# Allegro board RK_NVR_DEMO_RK3568_DDR4P216SD4_V12_20201221YWQ_final.brd (continued)
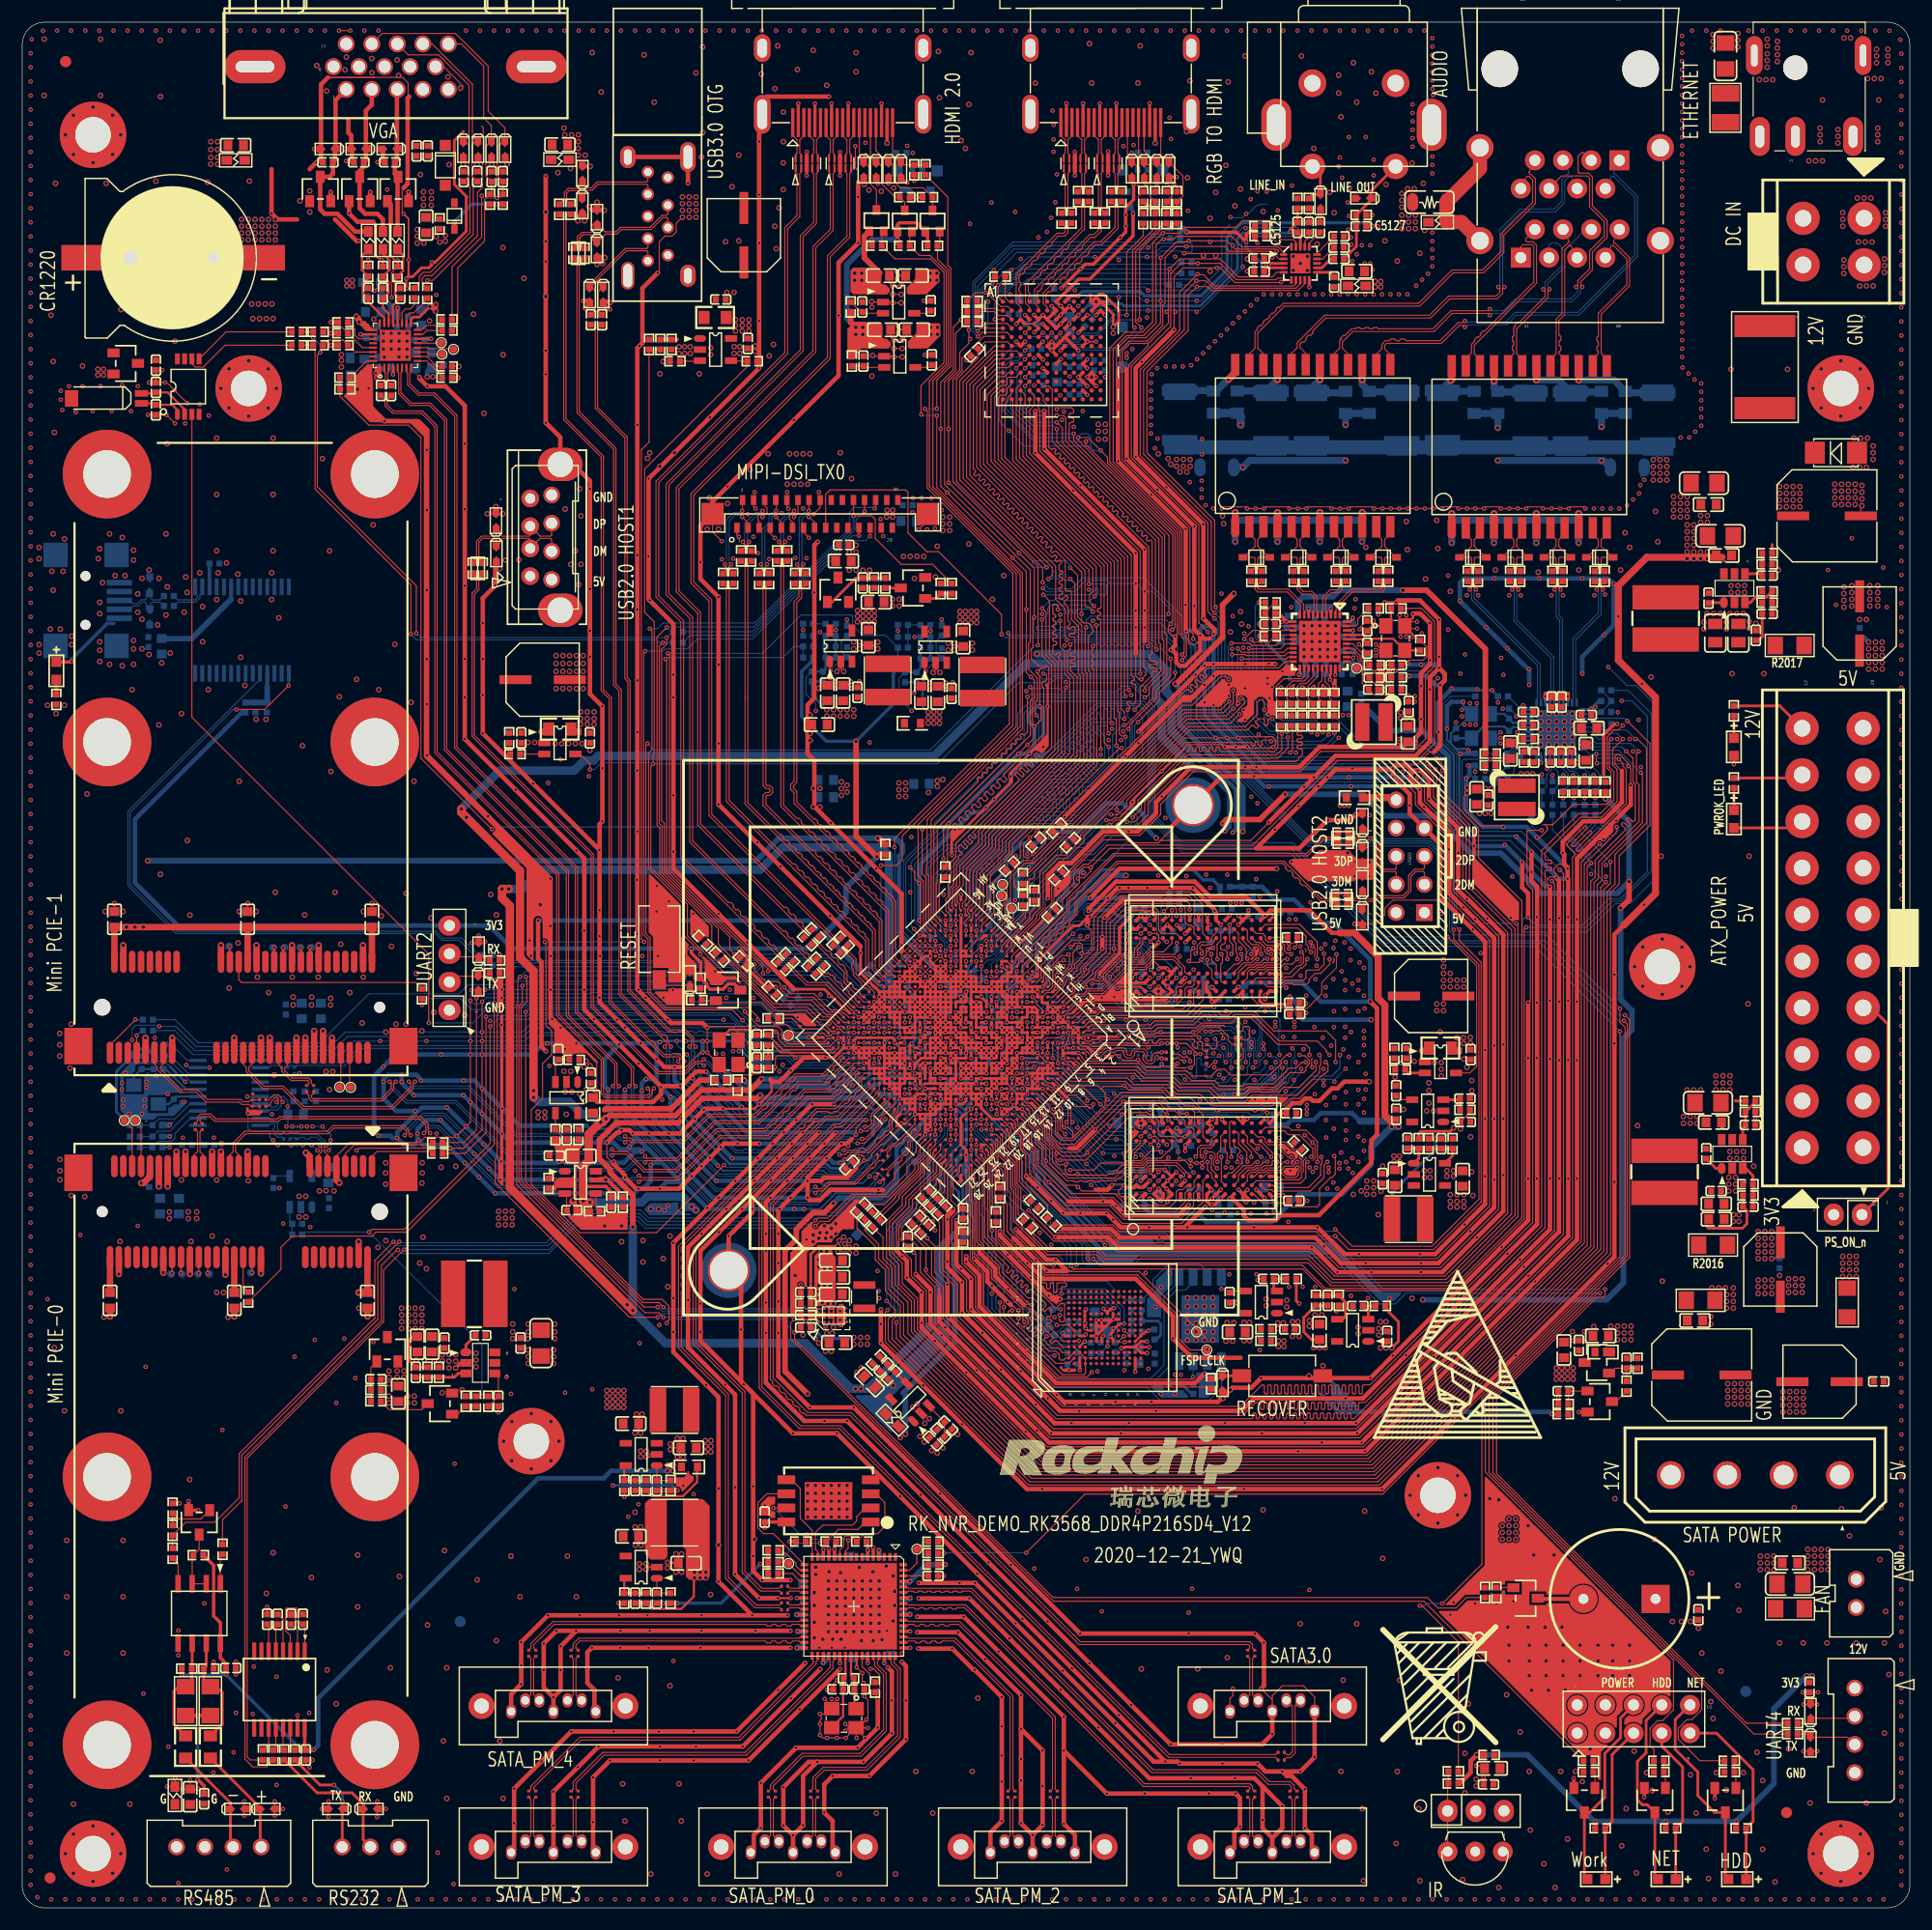
[diagram p0: board, top side]
## Routing (per net, layer and track width the routed paths; a pad name or vN(x,y) marks a point on that pad's centre or on a via; arc(x,y) is an arc through that point) (continued)
  TOP w0.254: v1(70.69,158.28) U5000.8 U5000.3 v1(70.69,156.16) ; 80.45,80.73 U1000.AA17 ; 80.45,80.73 U1000.AB17 ; 80.45,80.73 80.45,81.16 80.42,81.19 ; 80.45,80.73 80.9,80.73 ; U1000.AA17 U1000.Y18 ; U1000.AA17 80.9,80.27 ; 80.45,83.95 80.45,83.49 80.44,83.49 ; 80.45,83.95 v1(80.91,83.95) 80.92,83.93 80.92,83.49 ; 80.45,83.95 80.44,83.95 79.99,83.95 ; 80.45,83.95 v1(80.45,84.41) ; U1000.AC15 80.9,82.11 80.9,82.11 ; U1000.AC15 80.45,82.57 ; U1000.AC15 v1(80.45,81.65) ; U1000.AC15 79.99,82.11 ; U1000.C9 92.4,75.22 ; U1000.C9 v1(92.86,75.68) ; U1000.C9 92.4,76.11 v1(92.42,76.14) U1000.C8 v1(92.86,75.68) ; U1000.C9 91.99,75.68 ; 92.4,75.22 92.4,75.22 U1000.B9 ; 92.4,75.22 91.99,75.22 ; 91.46,80.73 91.48,80.72 U1000.J5 ; 91.46,80.73 91.46,80.94 91.21,81.19 90.99,81.19 ; 91.46,80.73 90.99,80.73 ; U1000.W14 82.74,81.19 ; U1000.W14 83.2,80.73 ; U1000.W14 v1(82.74,80.27) ; U1000.W14 v1(82.28,80.73) ; 82.74,81.19 U1000.Y14 ; 82.74,81.19 82.74,81.65 ; 82.74,81.19 U1000.W13 ; 82.28,72 82.28,71.54 81.36,71.54 ; 82.28,72 v1(81.82,72) ; 82.28,72 82.75,72 82.75,72.46 ; 82.28,72 v1(82.28,72.46) ; U1000.L26 80.91,71.12 81.36,71.12 ; U1000.L26 81.36,71.54 ; U1000.L26 v1(80.45,71.54) U1000.M26 ; v1(80.9,81.19) U1000.AB15 ; v1(80.9,81.19) 80.42,81.19 ; v1(80.9,81.19) 80.91,81.19 U1000.AA15 ; v1(80.9,81.19) 80.9,80.73 ; U1000.AB15 v1(80.45,81.65) ; U1000.AB15 v1(81.36,81.65) ; U1000.AB15 80.9,82.11 ; 81.36,83.03 80.92,83.03 80.92,83.49 ; 81.36,83.03 81.36,83.48 v1(81.36,83.49) ; 81.36,83.03 v1(81.82,83.03) ; 81.36,83.03 81.36,82.57 ; v1(86.89,77.06) 86.88,77.06 U1000.L13 ; v1(86.89,77.06) U1000.K13 ; v1(86.89,77.06) 86.88,77.05 U1000.K14 ; v1(86.89,77.06) 86.88,77.06 U1000.L14 ; v1(81.37,69.7) 81.36,69.7 U1000.J27 ; 89.64,79.81 90.08,79.81 90.09,79.8 ; 89.64,79.81 89.64,79.37 89.66,79.35 v1(90.1,79.35) ; 89.64,79.81 U1000.L8 88.72,79.81 ; v1(88.72,75.22) 88.72,75.22 U1000.F14 ; v1(88.72,75.22) 88.72,75.67 88.72,75.68 v1(89.18,75.68) ; v1(88.72,75.22) 88.72,75.22 ; v1(88.72,75.22) 88.26,75.22 U1000.G14 88.26,75.22 U1000.F15 ; v1(88.72,75.22) 89.18,75.22 89.18,75.22 v1(89.18,75.68) ; v1(90.1,79.35) U1000.J8 90.56,78.89 90.56,78.89 90.56,78.44 ; v1(90.1,79.35) 90.09,79.37 90.09,79.8 ; v1(91.02,78.44) 90.56,78.44 ; v1(91.02,78.44) 91.46,78.44 91.48,78.45 91.8,78.45 91.94,78.59 U1000.G6 ; v1(91.02,78.44) U1000.G8 ; 90.56,78.44 v1(90.56,77.98) ; U1000.T17 v1(82.28,77.98) ; U1000.T17 82.74,77.52 v1(82.74,77.52) ; U1000.T17 v1(82.74,78.43) ; U1000.T17 v1(83.2,77.98) U1000.R17 ; v1(82.28,77.98) U1000.T18 ; v1(82.28,77.98) U1000.U18 ; v1(82.28,77.98) U1000.U17 ; U1000.V20 v1(80.9,77.52) ; 81.82,74.78 82.24,74.78 82.26,74.75 82.26,74.39 82.17,74.3 ; 81.82,74.78 81.82,74.33 81.86,74.3 ; 81.82,74.78 U1000.P21 v1(81.82,75.68) ; v1(82.74,77.52) U1000.R17 ; v1(82.74,77.52) U1000.R18 ; v1(82.74,77.52) U1000.T18 ; U1000.R17 v1(83.2,77.06) ; U1000.V9 U1000.U10 ; U1000.V9 85.5,83.03 ; U1000.V9 85.96,82.57 ; U1000.U10 85.5,81.19 ; U1000.U10 85.94,81.65 v1(85.96,81.63) ; U1000.AD26 v1(74.93,77.98) 74.93,78.18 75.18,78.44 77.72,78.44 ; U1000.AD26 v1(74.93,77.06) U1000.AC26 ; U1000.AD26 v1(74.47,77.52) U1000.AE27 ; U1000.AD26 74.93,77.52 v1(75.39,77.52) 75.39,77.52 U1000.AC26 ; U1000.F15 88.72,74.3 U1000.F14 ; U1000.F15 v1(87.8,74.3) ; 79.07,82.58 79.07,83.03 ; 79.07,82.58 79.06,82.57 78.61,82.57 ; 79.07,82.58 79.07,82.12 79.07,82.11 ; 79.07,82.58 79.5,82.58 79.5,82.11 ; 79.07,83.03 U1000.AF15 ; 79.07,83.03 78.15,83.03 U1000.AF17 ; v1(92.86,75.68) U1000.B9 ; U1000.AF15 v1(79.07,83.95) U1000.AF14 ; U1000.AF15 78.61,83.49 78.61,82.57 78.61,82.57 ; U1000.AF15 v1(79.53,83.49) ; U1000.R11 U1000.P12 86.42,79.35 ; U1000.R11 85.96,80.27 v1(86.42,80.27) U1000.R10 ; U1000.R11 85.96,80.73 ; U1000.R11 85.5,80.27 U1000.T11 ; U1000.K19 85.09,74.3 ; U1000.K19 84.13,74.3 v1(84.12,74.3) ; U1000.K19 84.58,73.86 ; 85.09,74.3 85.04,74.25 85.04,73.89 85.09,73.84 ; 85.09,74.3 v1(85.96,74.3) ; v1(83.2,79.81) U1000.U15 ; v1(83.2,79.81) U1000.V15 ; v1(83.2,79.81) U1000.U14 83.66,79.35 83.66,79.35 ; v1(83.2,79.81) U1000.V14 ; U1000.U15 v1(82.74,79.35) ; U1000.U15 83.2,78.91 v1(83.18,78.89) ; U1000.U15 83.66,79.35 ; 83.2,81.65 82.74,81.65 ; 83.2,81.65 U1000.W13 ; 83.2,81.65 U1000.Y12 ; 83.2,81.65 U1000.W12 ; 82.74,81.65 82.3,81.65 ; 82.74,81.65 82.74,82.11 ; 88.72,82.57 v1(88.72,82.57) 88.72,82.57 ; 88.72,82.57 U1000.P6 ; 88.72,82.57 U1000.R6 ; 88.72,82.57 U1000.R6 ; 88.72,82.57 U1000.P6 ; U1000.G11 89.18,76.6 U1000.G12 ; U1000.G11 v1(89.64,76.14) ; U1000.G11 v1(89.64,77.06) 89.64,77.06 90.07,77.06 ; v1(83.2,77.06) U1000.R18 ; v1(83.2,77.06) U1000.P17 ; U1000.R18 v1(82.28,77.06) ; U1000.AE17 78.61,82.11 78.61,82.57 ; U1000.AE17 79.07,82.11 ; U1000.AE17 78.15,82.11 ; v1(81.82,80.27) 81.28,80.27 ; v1(81.82,80.27) U1000.W15 ; v1(81.82,80.27) U1000.Y15 ; 81.28,80.27 81.36,80.36 v1(81.36,80.73) ; 81.28,80.27 80.91,80.27 80.9,80.27 ; 87.34,73.84 U1000.F17 ; U1000.F17 v1(86.88,73.38) ; U1000.F17 v1(87.34,72.92) ; 83.66,79.35 U1000.T14 v1(84.12,78.89) ; 83.66,79.35 83.66,79.35 U1000.T15 ; v1(84.58,91.32) U1000.AH1 ; U1000.G6 v1(92.39,78.89) 92.39,79.35 U1000.G5 ; U1000.G6 91.94,79.35 v1(91.94,79.35) ; U1000.AB6 85.5,85.79 ; U1000.AB6 84.59,85.79 84.58,85.8 ; U1000.AB6 85.04,86.21 84.99,86.26 84.58,86.26 ; U1000.N17 84.58,76.6 U1000.M16 85.04,77.06 v1(85.04,77.06) U1000.N15 ; U1000.N17 84.12,76.14 ; U1000.N17 84.12,77.06 v1(84.12,77.06) U1000.P17 ; U1000.N17 83.66,76.6 ; U1000.C6 U1000.B5 v1(95.15,77.06) ; U1000.C6 v1(93.77,76.6) ; U1000.C6 v1(93.77,77.52) ; v1(83.66,76.6) 83.66,76.6 ; v1(83.66,76.6) U1000.P17 ; v1(83.66,76.6) 83.66,76.6 ; v1(83.66,76.6) U1000.N18 84.12,76.14 ; 82.74,82.11 U1000.AA12 ; 82.74,82.11 82.74,82.11 U1000.Y12 ; 82.74,82.11 81.82,82.11 ; U1000.AA12 v1(83.2,82.57) ; U1000.AA12 82.28,82.57 ; 107.65,71.32 107.65,70.79 U3301.K9 ; 75.85,80.27 v1(76.31,80.27) ; 75.85,80.27 v1(75.85,79.81) 76.32,79.81 76.32,80.26 v1(76.31,80.27) ; 75.85,80.27 v1(75.85,80.73) U1000.AF21 ; 75.85,80.27 75.85,80.27 v1(75.39,80.27) ; v1(76.31,80.27) U1000.AF21 ; v1(76.31,80.27) U1000.AE21 v1(76.77,80.73) ; U1000.H6 v1(91.48,79.81) U1000.J5 ; U1000.H6 91.94,79.35 v1(91.94,79.35) ; U1000.H6 v1(91.02,79.35) ; v1(93.31,79.81) 92.85,79.81 92.85,79.35 v1(92.85,79.35) U1000.G5 ; v1(93.31,79.81) 93.31,80.27 ; v1(93.31,79.81) U1000.F3 ; v1(82.28,78.89) U1000.U16 ; v1(82.28,78.89) U1000.V16 ; v1(82.28,78.89) U1000.U17 ; U1000.U16 v1(83.18,78.89) ; U1000.U16 82.74,79.35 v1(82.74,79.35) ; U1000.U16 v1(82.74,78.44) ; 82.28,84.87 82.28,84.87 v1(82.74,84.87) ; 82.28,84.87 82.28,84.41 ; 82.28,84.87 81.83,85.33 81.82,85.33 v1(81.82,85.79) ; U1000.R14 v1(84.12,78.89) ; U1000.R14 85.01,78.89 85.04,78.86 U1000.P14 ; U1000.R14 84.58,78.44 ; v1(84.12,78.89) U1000.R15 84.58,78.44 ; v1(84.12,78.89) U1000.T15 ; 97.79,82.22 97.59,82.02 v1(97.28,82.02) ; U1000.M26 80.45,72.54 ; U1000.M26 79.97,72 79.97,72.92 ; 80.45,72.54 80.45,72.92 ; 80.45,72.54 79.5,72.54 79.5,72.92 ; U1000.V16 v1(81.82,79.35) U1000.W17 ; U1000.V16 v1(82.74,79.35) ; U1000.V16 v1(82.28,79.81) ; 81.36,76.6 81.36,77.06 U1000.T19 ; 81.36,76.6 81.82,76.6 ; 81.36,76.6 81,76.6 80.4,76 80.4,75.64 ; 82.74,83.95 82.74,84.4 82.75,84.41 ; 82.74,83.95 U1000.AB11 ; 82.74,83.95 83.66,83.95 v1(83.66,83.95) ; 82.74,83.95 U1000.AC11 ; 91.94,75.16 91.99,75.22 ; 91.94,75.16 91.94,75.62 91.99,75.68 ; 91.94,75.16 91.94,74.76 91.94,74.76 U1000.C11 ; 91.99,75.22 91.48,75.22 ; U1000.J20 v1(84.58,72.92) ; U1000.J20 84.12,73.38 ; U1000.J20 v1(85.04,73.38) ; U1000.J20 84.58,73.86 ; v1(81.82,72) 81.82,71.08 81.82,71.08 U1000.J26 ; v1(81.82,72) U1000.L24 ; 90.09,79.8 90.09,80.27 90.55,80.27 90.56,80.28 90.56,80.73 ; 90.56,80.73 90.56,80.73 U1000.L5 ; 90.56,80.73 90.99,80.73 ; U1000.U8 86.82,82.57 ; U1000.U8 86.42,83.03 ; U1000.U8 85.96,82.57 ; 86.82,82.57 86.88,82.63 U1000.U7 ; 86.82,82.57 87.33,82.57 ; v1(91.48,82.57) 91.02,82.57 U1000.M3 ; v1(91.48,82.57) U1000.M2 ; v1(91.48,82.57) U1000.L3 91.9,82.11 91.9,81.58 92.4,81.58 U1000.J3 ; U1000.M6 v1(89.18,81.19) ; U1000.M6 v1(90.1,81.19) U1000.L5 ; U1000.M6 89.64,81.63 ; v1(89.18,81.19) 89.18,82.11 ; v1(89.18,81.19) 88.73,81.19 88.72,81.18 ; U1000.AF11 v1(80.45,85.33) U1000.AF12 ; U1000.AF11 v1(80.91,84.87) 80.9,84.87 U1000.AF12 ; U1000.AF11 81.36,85.79 v1(81.82,85.79) ; v1(83.2,84.41) U1000.AC9 ; v1(83.2,84.41) 83.2,84.41 83.2,83.49 ; v1(83.2,84.41) 82.75,84.41 ; U1000.AC9 v1(83.2,85.33) ; U1000.AC9 v1(82.74,84.87) ; v1(82.28,83.49) U1000.AC12 ; v1(82.28,83.49) U1000.AB11 ; v1(82.28,83.49) U1000.AB12 ; v1(82.28,83.49) U1000.AC11 ; U1000.AC12 v1(81.82,83.03) ; U1000.AC12 v1(81.36,83.49) ; U1000.AC12 v1(81.82,83.95) U1000.AC11 ; 84.12,73.38 v1(84.12,74.3) ; 84.12,73.38 83.2,73.38 ; U1000.U23 79.53,75.18 ; U1000.U23 79.07,75.68 U1000.V23 ; U1000.U23 v1(79.53,76.14) ; 79.53,75.18 79.53,74.76 ; 79.53,75.18 79.99,75.18 79.99,74.76 ; U1000.AH8 v1(80.91,87.63) ; 91.02,74.76 v1(91.02,74.76) U1000.C12 ; 91.02,74.76 U1000.D11 ; 91.02,74.76 U1000.C11 ; 77.69,77.06 U1000.AA23 ; 77.69,77.06 U1000.AA24 ; 77.69,77.06 U1000.Y23 ; 77.69,77.06 U1000.Y24 ; U1000.AA23 v1(77.69,77.98) 77.69,78.4 77.72,78.44 ; U1000.AA23 77.23,77.52 ; U1000.K11 88.26,77.62 v1(88.21,77.57) 88.16,77.52 U1000.K12 ; U1000.K11 v1(87.8,77.98) ; U1000.K11 88.26,78.33 88.26,78.33 v1(88.26,78.44) U1000.L11 ; U1000.Y24 78.15,76.6 78.15,76.6 ; U1000.Y24 77.69,76.14 ; 86.68,68.78 U1000.B23 v1(86.42,68.32) ; 81.82,76.6 U1000.R19 82.28,77.06 v1(82.28,77.06) ; 81.82,76.6 U1000.T19 ; U1000.V26 77.69,74.3 U1000.U26 ; U1000.V26 78.15,74.76 U1000.U26 ; U1000.V26 77.23,74.76 77.23,75.68 ; U1000.V26 77.69,75.18 ; 79.99,83.95 v1(79.99,84.87) U1000.AF12 ; 79.99,83.95 U1000.AE14 ; 79.99,83.95 U1000.AF14 ; v1(81.82,81.19) U1000.AA14 ; v1(81.82,81.19) U1000.Y14 ; v1(81.82,81.19) U1000.Y15 ; v1(81.82,81.19) U1000.AA15 ; U1000.AA14 81.82,82.11 ; U1000.AA14 82.3,81.65 ; U1000.AA14 v1(81.36,81.65) ; U1000.AA14 82.28,81.65 82.28,82.57 ; 81.36,82.57 81.37,82.57 82.28,82.57 ; 81.36,82.57 U1000.AB14 ; 81.82,82.11 81.82,82.11 U1000.AB14 ; 81.82,82.11 v1(81.82,83.03) ; v1(89.38,72.33) 89.64,72.59 U1000.C15 ; v1(89.38,72.33) 89.64,72.08 U1000.B16 v1(90.1,72) ; v1(89.38,72.33) 89.05,72 U1000.C17 ; U1000.AD3 v1(85.5,88.55) ; 83.2,74.3 U1000.M21 ; 83.2,74.3 U1000.L21 ; 83.2,74.3 U1000.L20 ; U1000.M21 v1(82.74,73.84) U1000.L21 ; U1000.M21 82.17,74.3 ; v1(89.18,75.68) 89.18,75.68 U1000.G12 ; v1(89.18,75.68) U1000.F12 v1(89.64,76.14) ; 89.18,82.11 89.18,82.11 ; 89.18,82.11 U1000.P6 ; 89.18,82.11 U1000.P6 ; 89.18,82.11 90.1,82.11 90.1,82.11 v1(90.1,83.03) ; U1000.L14 85.96,77.06 v1(85.96,77.06) U1000.M14 ; U1000.L14 v1(86.42,77.52) ; U1000.L14 86.42,76.6 U1000.K14 ; U5100.D5 v1(91.2,142.02) ; U1000.U26 v1(78.15,73.84) 78.58,73.84 78.61,73.86 ; U1000.U26 78.61,74.3 ; 83.2,72.95 83.2,73.38 ; 83.2,72.95 83.2,72.46 ; 83.2,72.95 83.23,72.92 83.66,72.92 ; 83.2,73.38 U1000.L21 ; 109.58,73.36 109.3,73.36 v1(109.25,73.31) ; U1000.AF14 v1(79.53,83.49) ; U1000.AF14 79.53,84.41 80.45,84.41 v1(80.45,84.41) ; v1(87.34,76.6) 87.75,76.6 87.8,76.65 v1(87.8,77.06) ; v1(87.34,76.6) 87.34,76.6 U1000.K13 ; v1(87.34,76.6) 87.34,76.6 U1000.K14 ; J5100.11 v1(98.59,162.65) ; U1000.AE27 v1(74.01,77.98) U1000.AF26 v1(73.55,78.44) ; U1000.AE27 U1000.AE28 73.13,76.64 v1(72.37,76.64) ; U1000.AF12 v1(80.45,84.41) ; 81.82,77.55 81.85,77.52 U1000.T18 ; 81.82,77.55 U1000.U18 ; 81.82,77.55 U1000.T19 ; U1000.J26 81.82,70.16 v1(81.82,70.16) U1000.J27 ; U1000.J26 81.37,70.62 81.36,70.62 ; U1000.K13 v1(87.8,77.06) ; U1000.K13 87.34,77.48 v1(87.31,77.52) ; v1(122.83,111.48) 122.81,111.48 122.28,110.95 C6805.2 ; 83.66,82.11 U1000.Y11 ; 83.66,82.11 83.66,82.11 ; 83.66,82.11 U1000.W12 ; U1000.Y11 83.66,82.57 ; U1000.Y11 v1(83.2,82.57) ; U1000.J3 v1(92.86,81.19) ; U1000.J3 v1(92.4,80.73) U1000.H3 ; U3301.N9 v1(110.37,71.11) ; U3301.N9 109.96,70.74 109.47,71.22 ; U3301.N9 109.99,71.31 109.98,71.32 ; U4000.N2 v1(100.29,48.34) ; v1(86.88,73.38) U1000.G17 87.34,73.84 v1(87.34,73.84) ; v1(86.88,73.38) U1000.G18 ; U1000.AA26 76.31,76.6 v1(76.31,76.6) ; U1000.AA26 v1(75.85,76.14) ; U1000.AA26 76.31,75.68 U1000.Y26 ; v1(81.36,80.73) U1000.AA15 ; v1(81.36,80.73) U1000.Y15 ; v1(81.36,80.73) 80.9,80.73 ; v1(94.69,79.35) 94.69,79.35 U1000.D3 v1(95.15,78.89) ; v1(94.69,79.35) U1000.E3 v1(94.23,79.81) U1000.F3 ; v1(94.69,79.35) U1000.D2 v1(95.15,78.9) ; v1(81.82,85.79) U1000.AF9 ; v1(91.94,79.35) U1000.G5 ; U1000.N15 U1000.P14 ; U1000.N15 85.5,77.52 ; U1000.P3 89.69,83.49 89.64,83.54 U1000.R3 ; U1000.P3 v1(90.56,83.49) 90.56,82.57 ; U1000.P3 v1(90.1,83.03) ; U1000.P3 90.1,83.95 U1000.R3 ; U1000.AA15 v1(81.36,81.65) ; v1(74.43,162.65) J5000.11 ; 82.28,82.57 U1000.AB12 ; U1000.AB12 v1(81.82,83.03) ; 87.34,74.76 87.34,74.76 v1(86.42,74.76) 86.42,74.76 U1000.J17 v1(85.96,74.3) ; 87.34,74.76 U1000.G15 ; 87.34,74.76 87.34,74.3 ; U1000.R26 79.07,72.92 v1(79.07,72.92) 79.07,72.92 79.5,72.92 ; U1000.R26 79.07,73.86 ; U1000.R26 78.61,73.38 78.61,73.38 78.61,73.86 ; 90.99,81.19 90.99,80.73 ; 90.99,81.19 U1000.L5 ; U1000.AG18 77.69,82.57 ; U1000.AG18 v1(77.23,82.11) ; U1000.AG18 U1000.AH18 v1(76.31,83.49) 75.54,84.26 v1(75.54,86.06) 75.54,86.66 ; 77.69,82.57 U1000.AF17 ; 77.69,82.57 U1000.AF18 ; U1000.L13 v1(86.42,77.52) ; U1000.L13 v1(87.31,77.52) ; v1(86.42,77.52) U1000.M13 85.96,77.98 85.96,77.98 ; v1(86.42,77.52) U1000.M14 ; U1000.AA24 v1(77.23,77.52) ; U1000.AA24 v1(76.77,77.06) ; v1(103.22,70.28) 102.87,69.94 U3301.D8 ; 79.99,81.19 79.99,81.66 ; 79.99,81.19 U1000.AB17 ; 79.99,81.19 80.42,81.19 ; 79.99,81.66 79.99,82.11 ; 79.99,81.66 80.44,81.66 v1(80.45,81.65) ; 79.99,81.66 79.5,81.66 79.5,82.11 ; 81.36,71.54 81.36,71.12 ; 79.07,76.6 U1000.V23 ; 79.07,76.6 U1000.V22 ; 79.07,76.6 79.07,77.5 79.53,77.5 79.53,77.06 ; 79.07,76.6 78.15,76.6 ; U1000.V23 78.61,76.14 ; U1000.V23 v1(79.53,76.14) ; 78.61,80.73 U1000.AC18 ; 78.61,80.73 78.18,80.73 ; 78.61,80.73 78.61,80.26 ; U1000.AC18 v1(79.53,80.73) U1000.AB17 ; U1000.AC18 79.07,80.26 ; 93.31,80.27 93.32,80.27 v1(93.77,80.27) U1000.F3 ; 93.31,80.27 v1(93.31,80.73) ; v1(87.34,73.84) 87.8,73.84 87.8,73.84 87.8,73.84 v1(87.8,74.3) ; v1(87.34,73.84) 87.34,74.3 ; U1000.Y12 83.66,82.11 ; U1000.Y12 v1(83.2,82.57) ; 83.66,82.11 U1000.W11 84.12,82.57 ; 96.01,89.29 95.24,88.53 94.69,88.53 91.39,85.23 91.39,85.14 91.48,85.05 v1(91.48,84.41) 91.48,84.41 U1000.N1 v1(91.02,83.95) ; 80.9,80.27 80.9,80.73 ; U1000.P14 v1(85.5,78.44) U1000.N14 ; U1000.P14 84.58,78.44 ; U1000.R6 87.83,82.57 ; U1000.R6 88.26,82.21 88.36,82.11 U1000.P6 ; U1000.R6 88.26,83.04 ; 87.83,82.57 87.83,83.49 ; 87.83,82.57 87.33,82.57 ; v1(85.04,73.38) 85.5,73.38 ; v1(85.04,73.38) 85.04,73.79 85.09,73.84 ; U1000.AB24 v1(76.77,77.06) ; U1000.AB24 77.23,77.52 ; U1000.AB24 76.31,77.52 ; v1(76.77,77.06) 75.85,77.06 ; 82.3,81.65 82.28,81.64 U1000.Y14 ; U1000.AF21 v1(76.77,80.73) ; 78.61,76.14 77.69,76.14 ; 78.61,76.14 78.61,76.14 ; 78.61,76.14 v1(78.61,77.06) ; 78.61,76.14 78.61,76.14 ; 77.69,76.14 77.69,75.69 ; 78.61,80.26 78.18,80.26 78.18,80.73 ; 78.61,80.26 79.07,80.26 ; 78.61,80.26 78.61,79.76 79.07,79.76 ; U1000.V8 85.96,82.57 ; U1000.V8 85.96,83.49 ; U1000.V8 85.96,83.03 86.42,83.03 ; U1000.V8 85.5,83.03 ; U1000.W15 v1(82.28,80.73) ; U1000.W15 v1(82.74,80.27) ; U1000.W15 v1(82.28,79.81) ; 79.99,82.11 79.5,82.11 ; 85.96,83.49 85.96,83.95 85.5,83.95 ; 85.96,83.49 v1(85.04,83.49) ; 79.07,79.76 79.07,79.35 79.5,79.35 ; 79.07,79.76 79.07,80.26 ; v1(90.1,83.03) 91.02,83.03 ; 91.02,83.03 U1000.M2 ; 91.02,83.03 U1000.M3 ; 85.04,83.03 v1(84.58,83.03) ; 85.04,83.03 v1(85.04,83.49) ; 85.04,83.03 85.5,83.03 ; v1(84.58,83.03) 83.69,83.03 83.66,83.01 ; v1(84.58,83.03) U1000.W10 84.12,82.57 ; v1(84.58,83.03) U1000.Y9 ; U3300.B2 101.17,83.4 100.42,83.4 U3300.A2 100.33,83.36 99.87,83.36 ; U3301.C9 101.73,71 v1(101.6,71) ; U1000.Y14 v1(82.28,80.73) ; 78.15,76.6 78.15,75.69 v1(78.15,75.69) 77.69,75.69 ; 78.15,76.6 U1000.Y23 ; 88.26,83.49 88.79,83.49 88.79,84.34 89.15,84.34 89.15,84.87 ; 88.26,83.49 88.26,83.95 U1000.R3 ; 88.26,83.49 87.83,83.49 ; 88.26,83.49 88.26,83.48 88.26,83.04 ; v1(82.74,84.87) 82.75,84.86 82.75,84.41 ; 88.24,80.27 87.83,80.27 87.83,80.73 88.24,80.73 ; 88.24,80.27 88.24,80.73 ; 88.24,80.27 U1000.M8 ; v1(76.31,76.6) 76.31,77.52 76.31,77.52 ; v1(76.31,76.6) 75.86,76.6 75.85,76.61 ; 82.28,84.41 U1000.AC11 ; 82.28,84.41 82.75,84.41 ; U1000.H2 v1(93.31,80.73) ; U1000.H2 v1(93.77,81.19) ; U1000.H2 v1(92.86,81.19) ; v1(93.31,80.73) U1000.H3 ; U1000.V15 v1(82.74,79.35) ; U1000.V15 v1(82.28,79.81) ; U1000.V15 v1(82.74,80.27) ; U1000.AC26 75.85,77.06 ; U1000.AC26 75.39,76.61 75.85,76.61 ; U1000.AB11 83.2,83.49 ; U1000.G15 87.8,74.76 U1000.F14 ; U1000.G15 87.8,74.3 v1(87.8,74.3) ; 84.56,73.84 85.09,73.84 ; 84.56,73.84 84.58,73.86 ; 84.56,73.84 v1(83.66,73.84) U1000.L21 ; 85.09,73.84 85.5,73.84 ; 83.66,82.57 84.12,82.57 ; 83.66,82.57 83.66,83.01 ; U1000.T19 v1(82.28,77.06) ; v1(83.66,83.95) U1000.AA9 ; v1(83.66,83.95) 83.66,83.01 ; U1000.AA9 84.12,83.49 ; U1000.AA9 v1(84.12,84.41) 84.58,84.41 ; U1000.AA9 84.58,83.95 ; 75.85,77.06 75.85,76.61 ; 75.85,77.06 75.85,77.06 U1000.AC25 76.31,77.52 ; 80.92,83.49 80.44,83.49 ; 80.92,83.49 v1(81.36,83.49) ; U1000.A6 v1(94.99,75.84) ; 79.5,79.35 v1(79.99,79.35) ; 79.5,79.35 79.5,78.89 79.99,78.89 ; 85.5,77.52 U1000.M14 ; 85.5,77.52 U1000.N14 ; U1000.M14 85.96,77.98 ; R2132.2 118.63,53.96 v1(118.41,53.75) ; U3301.T3 112.99,65.94 v1(113.24,65.69) ; J5100.8 v1(97.09,162.65) ; 79.53,77.06 U1000.V22 ; 79.53,77.06 v1(78.61,77.06) ; U1000.N14 85.96,77.98 ; U1000.N14 U1000.P15 84.58,78.43 ; U4000.H10 97.79,53.65 ; 97.79,53.65 v1(97.43,54) ; 97.79,53.65 97.79,53.69 98.1,54 98.33,54 v1(98.38,54.05) ; v1(87.8,74.3) 87.34,74.3 87.34,74.3 ; 84.96,71.58 84.58,71.2 84.58,68.78 U1000.C25 v1(85.04,67.86) U1000.B26 ; v1(82.28,77.06) U1000.T18 ; v1(76.77,80.73) U1000.AE20 ; v1(76.77,80.73) U1000.AF20 ; 84.12,82.57 84.12,83.49 ; 84.12,83.49 83.2,83.49 ; 84.12,83.49 U1000.Y9 ; v1(89.64,82.57) 89.64,81.64 ; v1(89.64,82.57) 90.56,82.57 ; v1(89.64,82.57) 90.08,82.57 ; 89.64,81.64 89.62,81.65 88.72,81.65 ; U1000.H3 v1(92.86,81.19) ; v1(79.53,83.49) U1000.AE14 ; U1000.K12 v1(87.8,77.98) ; U1000.K12 v1(87.8,77.06) ; U1000.K12 v1(87.31,77.52) ; U1000.AF18 v1(77.69,81.65) ; U1000.AF18 78.15,82.11 ; U1000.AF18 v1(77.23,82.11) ; v1(77.69,81.65) v1(76.77,81.65) U1000.AF20 ; v1(77.69,81.65) 77.69,81.2 ; 88.72,81.18 88.24,81.18 88.24,80.73 ; 88.72,81.18 v1(88.72,80.73) ; 88.72,81.18 88.72,81.65 ; U1000.P6 88.72,81.65 ; U1000.P6 88.72,81.67 88.71,81.66 88.72,81.65 ; 78.18,80.73 v1(77.69,80.73) ; 78.18,80.73 78.18,81.2 77.69,81.2 ; v1(77.1,155.42) 76.95,155.57 ED5002.2 ; U1000.AE14 80.44,83.49 ; v1(82.74,66.95) U1000.D28 ; v1(77.23,81.19) 77.68,81.19 77.69,81.2 ; v1(77.23,81.19) U1000.AF20 ; v1(77.23,81.19) v1(77.23,82.11) ; v1(77.23,81.19) U1000.AE20 ; U1000.AE20 v1(77.69,80.73) ; 86.42,72.44 86.42,72.1 87.42,71.1 88.26,71.1 ; 86.42,72.44 85.96,72.44 85.96,72.92 ; 86.42,72.44 v1(86.42,72.92) ; 83.2,80.73 U1000.V13 83.66,81.19 ; 83.2,80.73 U1000.V14 ; 83.2,80.73 U1000.W13 ; 84.58,84.41 85.04,84.41 U1000.Y8 ; 84.58,84.41 84.58,83.95 ; 84.58,84.41 84.58,85.8 ; 88.72,79.81 88.72,79.81 ; 88.72,79.81 v1(88.72,79.81) U1000.M8 ; v1(88.72,80.73) U1000.M8 ; v1(88.72,80.73) 88.24,80.73 ; U1000.L24 v1(82.28,72.46) ; U1000.L24 v1(81.82,72.92) ; v1(82.28,72.46) 82.75,72.46 ; 83.66,81.19 83.66,81.19 83.66,81.19 ; 83.66,81.19 U1000.W13 ; 83.66,81.19 U1000.W12 ; 84.58,86.26 U1000.AF3 v1(84.58,89.47) ; 84.58,86.26 84.58,85.8 ; 85.5,81.19 U1000.T10 ; 85.5,81.19 U1000.T11 ; U1000.B12 91.02,73.84 ; U1000.B12 v1(91.48,74.3) ; U1000.B12 v1(91.94,73.84) ; 91.02,73.84 U1000.C12 ; 91.02,73.84 90.56,73.84 v1(90.56,73.38) U1000.C14 ; v1(91.48,74.3) U1000.C12 ; v1(91.48,74.3) U1000.C11 ; U4000.G5 97.29,51.42 97.38,51.51 v1(97.38,51.54) ; U1000.G9 90.1,77.52 90.1,77.09 90.07,77.06 ; U1000.G9 90.56,77.97 v1(90.56,77.98) ; U1000.G9 v1(91.02,77.52) ; U1000.G9 90.56,77.06 ; 84.58,83.95 U1000.Y9 ; 84.58,83.95 U1000.Y8 ; U1000.V22 v1(79.53,76.14) ; U1000.V22 79.95,76.6 ; U1000.L20 83.66,74.76 83.66,74.76 84.12,74.76 U1000.M18 84.12,76.14 ; U1000.L20 83.67,74.3 v1(84.12,74.3) ; U1000.L20 83.66,72.92 ; 80.42,81.19 80.45,81.22 v1(80.45,81.65) ; 79.07,74.3 79.07,73.86 ; 79.07,74.3 79.53,74.3 79.53,74.76 ; 79.07,74.3 79.07,74.76 79.53,74.76 ; 79.07,74.3 78.61,74.3 ; 79.07,73.86 78.61,73.86 ; v1(86.88,78.89) U1000.N12 86.42,79.35 86.42,79.35 ; v1(86.88,78.89) U1000.N11 86.42,79.35 ; v1(86.88,78.89) U1000.M11 ; 79.99,74.76 U1000.R23 v1(80.45,74.3) ; 79.99,74.76 79.53,74.76 ; U1000.Y23 78.61,77.06 v1(78.61,77.06) ; U1000.J27 81.36,70.62 ; 81.36,70.62 81.36,71.12 ; U1000.G18 v1(86.42,72.92) ; U1000.G18 85.96,73.38 ; v1(95.15,78.89) U1000.C3 ; 77.69,75.69 77.69,75.22 77.69,75.18 ; 77.69,75.69 77.67,75.68 77.23,75.68 ; 86.42,87.37 86.67,87.63 U1000.AB2 ; v1(95.82,52.22) 95.74,52.3 95.74,52.67 v1(95.77,52.7) 95.74,52.72 95.74,53.33 95.75,53.34 95.75,53.84 v1(95.86,53.95) ; U1000.G12 v1(89.64,76.14) ; U1000.Y26 76.77,75.18 77.69,75.18 ; U1000.Y26 77.23,75.68 ; U1000.J5 v1(91.94,80.27) ; 90.07,77.06 90.56,77.06 ; 90.56,77.06 U1000.F9 ; v1(82.28,80.73) U1000.Y15 ; ED5101.2 v1(102.22,155.42) ; U3300.H1 v1(105.99,82.14) ; 78.61,73.86 78.61,74.3 ; U1000.AB14 v1(81.36,81.65) ; U1000.AB14 80.9,82.11 ; v1(88.26,84.87) U1000.V3 88.72,85.33 ; U3301.E3 103.54,65.94 v1(102.94,66.54) ; U3301.E3 v1(103.99,66.33) ; U3301.E3 v1(103.19,65.54) U3301.D2 v1(103.12,64.81) ; J5100.5 v1(95.59,162.65) ; v1(85.96,74.3) U1000.J18 85.5,73.84 ; U1000.AG5 v1(83.2,89.01) ; U1000.AF17 78.61,82.57 ; U1000.AF17 78.15,82.11 78.15,82.11 ; 80.45,72.92 80.45,73.1 80.7,73.36 81.41,73.36 ; 80.45,72.92 79.97,72.92 ; U1000.F9 v1(91.48,77.06) ; U1000.F9 v1(91.02,77.52) ; 82.75,72.46 83.2,72.46 ; ED5100.2 v1(104.03,156.02) ; U1000.U18 81.82,78.4 81.86,78.44 U1000.U17 ; U1000.C15 90.11,72.92 90.1,72.93 U1000.C14 ; U1000.C15 89.64,73.38 U1000.C14 ; v1(70.87,78.46) v1(71.52,78.46) 72.15,78.46 U1000.AH28 ; U1000.T10 86.37,81.19 86.4,81.22 ; U1000.T10 v1(85.96,81.63) ; U1000.T10 85.96,80.73 ; 79.07,82.11 79.5,82.11 ; 86.42,83.03 87.34,83.03 v1(87.34,83.04) ; U1000.B9 93.29,75.22 ; U1000.A3 v1(96.48,77.1) ; v1(103.19,83.82) U3300.D2 v1(103.19,83.02) ; 87.83,83.49 U1000.U6 v1(87.34,83.04) ; v1(79.99,79.35) 79.99,78.89 ; v1(79.99,79.35) U1000.Y18 ; 79.99,78.89 80.45,78.89 U1000.Y18 ; v1(109.5,82.13) U3300.N1 109.99,81.9 ; U1000.C17 v1(88.72,71.54) 88.72,71.54 U1000.C18 v1(88.26,72) U1000.C17 ; 86.4,81.22 86.4,81.61 86.36,81.65 85.98,81.65 v1(85.96,81.63) ; 86.4,81.22 86.42,81.19 86.42,81.19 U1000.R10 ; U1000.AF20 v1(76.31,81.19) ; U1000.D11 v1(90.56,75.22) ; U1000.D11 91.48,75.22 ; U1000.U17 v1(82.74,78.44) ; v1(91.02,77.52) U1000.G8 ; U7000.10 115.96,146.11 v1(115.98,146.1) ; v1(77.23,77.52) 77.23,77.52 ; v1(77.23,77.52) 77.23,77.52 ; v1(87.34,83.04) 88.26,83.04 ; v1(87.34,83.04) 87.34,82.59 87.33,82.57 ; 79.5,72.92 U1000.P26 79.97,72.92 ; U1000.G8 v1(90.56,77.98) ; U1000.M11 87.34,78.44 U1000.L11 ; U1000.M11 v1(87.8,78.89) U1000.L11 ; U3301.H9 v1(105.99,71.19) ; v1(99.88,84.34) 99.78,84.34 99.09,83.64 99.09,83.42 99.15,83.36 ; v1(86.42,86.71) U1000.AA4 ; 85.5,83.95 U1000.Y8 ; 85.5,83.95 85.5,83.03 ; 90.56,82.57 U1000.M3 ; U1000.V14 v1(82.74,80.27) ; v1(83.18,78.89) U1000.T15 ; v1(71.43,162.65) J5000.5 ; 85.96,72.92 85.96,73.38 ; 85.96,72.92 v1(86.42,72.92) ; 85.96,72.92 85.5,72.92 85.5,73.38 ; 85.96,73.38 85.5,73.38 ; v1(87.8,77.98) U1000.L11 ; v1(77.43,162.65) J5000.17 ; U1000.M2 v1(91.94,83.03) ; U3300.T3 112.99,84.22 ; 83.66,72.92 U1000.J22 ; v1(91.48,72) 91.02,72.46 U1000.A14 90.93,72.54 90.88,72.54 ; U1000.R10 85.96,80.73 ; U1000.R10 v1(86.88,80.73) ; 85.96,80.73 U1000.T11 ; v1(77.69,80.73) 77.69,81.2 ; 91.48,75.22 91.48,75.22 ; 91.48,75.22 U1000.C11 ; 91.48,75.22 91.48,75.52 91.63,75.68 91.99,75.68 ; 83.2,72.46 U1000.J22 ; U1000.J22 v1(83.66,72) ; 103.22,82.13 103.22,82.25 U3300.E1 ; v1(85.04,83.49) U1000.Y8 ; v1(85.04,83.49) U1000.Y9 ; 85.5,73.38 85.5,73.38 85.5,73.84 ; U1000.L19 v1(84.12,74.3) ; 39.75,160.12 38.94,159.31 38.94,155.35 40.06,154.23 40,154.18 40,151.13 37.21,148.34 v1(36.91,148.34) 36.91,148.1 36.65,147.84 35.99,147.84 35.18,147.03 34.79,147.03 v1(34.61,146.86) ; 82.17,74.3 81.35,74.3 81.29,74.24 ; 98.56,52.36 98.44,52.24 v1(98.32,52.24) 98.29,52.21 98.29,51.94 98.04,51.7 v1(98.04,51.51) 98.29,51.26 U4000.J5 ; U1000.AE6 v1(83.66,87.63) ; U1000.F1 v1(95.15,81.19) ; U1000.E7 v1(92.4,77.97) ; U3300.C9 102.09,89.12 102.09,89.63 ; v1(79.74,155.52) 79.61,155.52 79.18,155.96 ED5000.2 ; ED5001.2 v1(78.06,155.42) ; v1(96.18,89.32) 96.19,89.32 97.8,90.93 v1(97.8,91.04) ; v1(93.15,82.86) 92.86,82.57 ; C2302.2 111.4,56.69 v1(111.3,56.59) ; v1(113.59,64.24) v1(113.18,64.24) 112.99,64.24 v1(112.74,63.99) ; U3300.F1 104.39,82.31 v1(103.92,81.84) ; v1(95.61,78.44) U1000.C3 ; LED2001.2 v1(154.23,103.07) ; 37.27,165.97 J5900.10 ; v1(73.69,156.16) U5001.3 U5001.8 v1(73.69,158.28) ; 69.55,82.8 72.29,82.8 72.69,82.4 v1(72.69,82.19) 72.9,82.19 v1(74.02,81.08) 74.13,81.08 U1000.AH23 74.57,80.64 ; 95.15,77.97 U1000.C3 ; U3301.G8 v1(104.79,69.54) ; J5100.2 v1(94.09,162.65) ; 89.91,86.06 U1000.U1 ; J5100.17 v1(101.59,162.65) ; 77.72,78.44 78.38,78.44 78.61,78.2 v1(78.61,77.98) ; U1000.N28 78.79,71.27 78.79,70.51 78.99,70.51 v1(79.2,70.71) 79.22,70.69 79.59,70.69 ; U1000.G24 v1(83.66,70.16) ; v1(101.26,155.42) 101.11,155.57 ED5102.2 ; v1(93.16,74) U1000.A10 ; v1(69.93,162.65) J5000.2 ; v1(101.59,63.94) 102.02,63.51 ; v1(72.93,162.65) J5000.8 ; 88.26,72.92 v1(88.26,72.92) 88.26,72.92 88.26,73.38 v1(88.72,73.38) 88.72,72.92 88.26,72.92 ; 90.09,74.3 90.1,74.3 v1(90.1,74.76) 89.64,74.76 v1(89.64,74.3) 90.09,74.3
  TOP w0.3: v1(103.19,83.02) U3300.E1
  TOP w0.305: v1(89.56,141.19) U5100.F3 v1(90.36,141.19) ; 110.59,63.8 110.06,64.34 110,64.34 ; 90.23,142.84 90.23,142.92 U5100.C3 v1(89.56,142.79) ; v1(94.85,158.28) U5102.8 U5102.3 v1(94.85,156.16) ; v1(15.88,35.84) Q9500.2 v1(14.99,36.66) ; 101.29,81.92 v1(101.59,82.22) 101.94,81.87 ; U5100.L10 v1(95.96,136.39) ; U5100.K11 v1(96.76,137.99) U5100.J11 v1(95.96,137.99) U5100.K11 ; U5100.K11 v1(96.76,137.19) ; U8300.5 v1(76.68,32.49) ; 94.11,73.05 v1(93.16,74) ; v1(100.74,88.5) 100.69,88.5 100.42,88.22 U3300.A8 100.14,88.22 v1(99.94,88.43) ; 102.09,89.63 101.91,89.8 v1(101.81,89.8) ; U3300.N9 v1(109.59,88.62) ; U3300.N9 110.48,89.52 110.48,89.93 v1(110.48,89.94) ; U3300.N9 v1(109.59,89.42) ; v2(39.07,48.67) 39.52,49.12 U8502.2 ; v1(103.12,64.81) U3301.E1 103.19,63.94 v1(103.19,63.64) ; v1(103.22,70.28) 103.24,70.28 103.44,70.09 U3301.E8 ; U3301.F1 v1(104.39,63.84) ; v1(93.62,146) v1(95.35,147.73) 95.78,148.16 96.52,148.16 v1(98.93,150.57) 99.43,151.07 v1(99.43,152.6) 99.43,153.26 100.14,153.97 v1(100.14,155.4) 100.14,155.45 99.99,155.6 ED5103.2 ; 112.99,84.22 v1(113.29,83.92) ; v1(96.76,143.59) U5100.B12 v1(97.56,143.59) ; U5100.C8 v1(93.56,142.79) U5100.D7 U5100.C6 ; U5100.E8 U5100.F9 v1(95.16,140.39) ; U5100.E8 94.36,141.99 ; U5100.E8 U5100.F7 ; Q2101.2 v1(140.24,44.68) ; U5100.C6 v1(91.96,143.59) 91.56,143.19 U5100.C5 v1(91.16,143.59) ; U5100.C6 92.36,143.19 U5100.B7 v1(92.76,144.39) ; U3300.E8 103.4,88.41 v1(103.19,88.62) 103.02,88.45 U3300.D8 ; U3300.E3 103.59,84.34 103.99,84.73 ; U3300.E3 v1(103.19,84.62) 103.08,84.74 102.58,84.74 ; U3300.E3 v1(103.19,83.82) ; Q9002.2 v1(146.16,9.98) ; C8313.2 v1(66.9,36.27) ; v1(99.28,65.14) 99.49,64.92 100.18,64.92 U3301.A2 100.58,64.95 101.01,64.95 U3301.B2 v1(101.59,65.54) ; C2145.2 v1(138.4,45.97) 138.4,45.55 ; v1(104.79,87.82) U3300.G8 ; U5100.F7 v1(92.76,141.19) U5100.F6 v1(92.76,140.39) ; U5100.F7 v1(92.76,140.39) ; U3301.N1 v1(109.59,64.74) ; U3301.N1 109.99,63.9 v1(110.29,63.6) ; U3301.N1 110,64.34 ; v1(101.59,83.82) U3300.B2 ; R9510.2 v1(14.19,36.47) ; 96.67,80.75 v1(96.1,80.75) ; 113.03,82.6 113.01,82.62 U3300.T1 112.06,82.3 v1(112.01,82.3) ; U1000.A28 84.58,65.57 v1(84.35,65.34) ; U3300.K9 107.53,89.08 107.53,89.88 107.39,90.02 ; U3300.K9 107.59,89.72 v1(107.44,89.87) ; U3300.K9 v1(107.99,88.62) ; v1(107.65,71.88) 107.8,71.88 ; v1(97.85,156.16) U5104.3 U5104.8 v1(97.85,158.32) ; Q9000.2 v1(139.81,11.68) ; U5100.G7 v1(92.76,140.39) ; v1(99.89,69.94) U3301.A8 100.39,69.84 99.99,69.44 ; v1(105.99,63.84) U3301.H1 ; R2303.2 v1(60.6,87.93) ; v1(97.68,76.74) 98.19,76.74 ; U8300.13 v1(72.68,32.41) ; v1(110.39,64.72) 110,64.34 ; v1(107.22,82.99) U3300.K1 ; U5100.C10 v1(95.96,143.59) ; v1(105.99,89.52) 105.99,89.42 U3300.H9 ; 102,86.64 v1(102.39,87.02) ; Q9001.2 v1(152.51,9.86) ; v1(107.99,64.74) U3301.K1 v1(107.19,63.94) ; U3301.T1 v1(112.74,63.99)
  TOP w0.381: 96.72,64.74 97.79,64.74 v1(98.19,65.14) ; v2(50.67,152.07) 50.67,152.59 D2501.2 50.06,152.39 v2(50.06,152.07) ; v2(51.18,156.98) D2502.2 ; v1(53.01,144.68) 52.92,144.77 D2506.2 52.35,144.55 52.73,144.17 52.88,144.17 v1(52.96,144.09) ; 107.04,114.4 106.53,114.4 106.22,114.71 v1(106.14,114.71) 106.14,113.3 104.8,111.96 104.29,111.96 103.99,112.27 103.99,113 103.61,113.39 v1(103.48,113.39) 103.89,113.79 v1(103.89,114.6) ; 51.79,148.74 v2(51.79,148.13) ; 51.79,148.74 D2504.2 52.41,148.83 v2(52.5,148.74) ; 51.79,148.74 v2(52.3,148.23) ; D2500.2 51.4,153.02 v2(51.05,153.37) ; D2500.2 v2(51.79,153.75) ; D2500.2 v2(52.45,153.02) ; 51.13,144.63 D2505.2 ; 51.13,144.63 50.9,144.86 v1(50.56,144.86) ; 51.13,144.63 v1(50.7,144.2)